# Altium PCB CL-HC-M-V2.1gerber.PcbDoc (part 14 of 16)
Units mil, origin at the board's own origin, x right, y up, seen from the top; angles counter-clockwise.
Board outline 27559.06 x 27559.06 mil, 2 copper layers (TopLayer, BottomLayer); 575 components, 528 nets, 1941 pads, 1850 vias.
Unrouted connection lines stored in the file: 70.
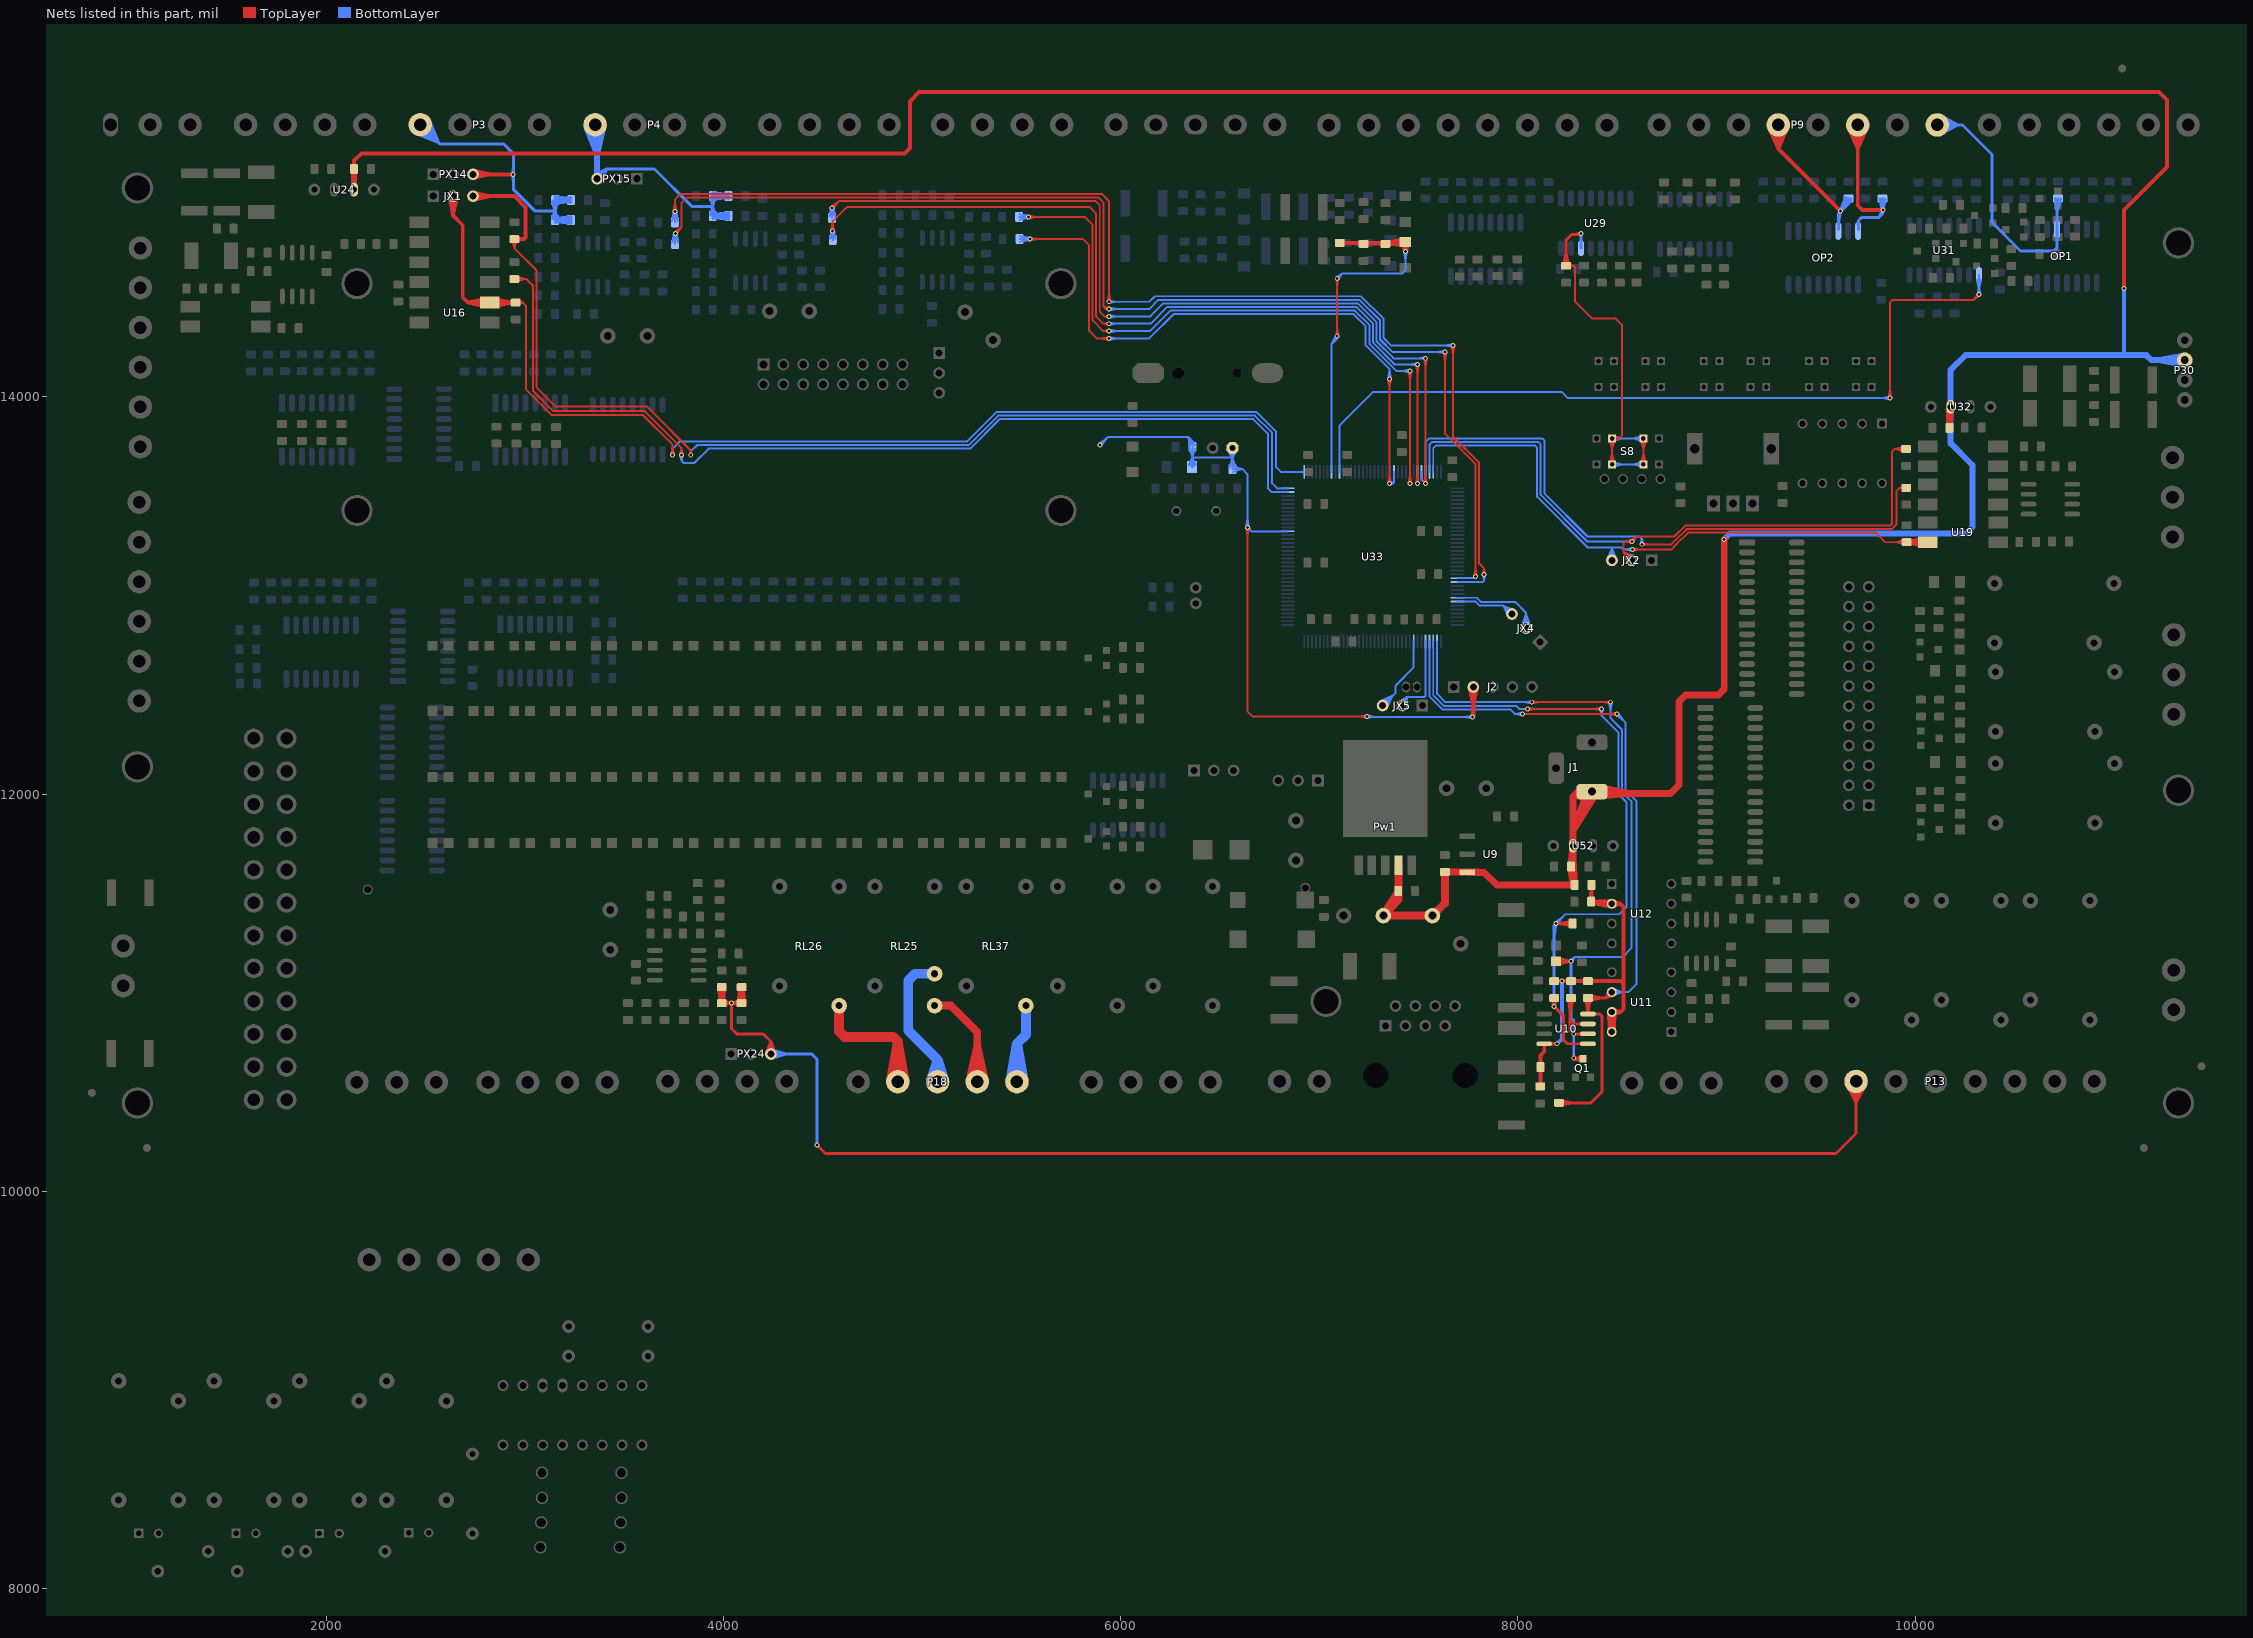
[diagram p14: the nets of this part, all layers, seen from the top]

## Via types
v1: diameter 25, hole 15, TopLayer to BottomLayer, tented both sides, 1813 vias
v2: diameter 20, hole 12, TopLayer to BottomLayer, tented both sides, 24 vias
v3: diameter 25, hole 15, TopLayer to BottomLayer, 13 vias

## Nets (pads, with @x,y where several pads share a name; then routed paths per layer and width w, separated by ;. In a path a pad name is that pad's centre, name@x,y a point inside that pad or via, vN(x,y) a via of type N, cw(c..) or ccw(c..) an arc to the next point about the centre after c; other vN are vias at no path point) (continued)
PWM3-T8C1: R101.1 U33.96 | length 7449.3
  TopLayer w10: v1@3752.77,14829.19 3789.87,14855.71 ; v1(3757.62,14823.47) 3789.87,14855.71 ; v1@3763.34,14818.62 3789.87,14855.71 ; v1@5938.18,14435.58 5912.62,14455.45 ; v1@5944.38,14449.13 5912.62,14455.45 ; v1@7626.09,14225.58 7633.57,14183.74 v1@7641.04,14225.58 ; v1(7633.57,14226.24) 7633.57,13813.51 7786.72,13660.35 v1@7786.72,13094.63 ; v1@7779.43,13095.26 7786.72,13137.13 ; v1(7786.91,13094.63) 7786.72,13137.13 ; v1@7794.37,13095.33 7786.72,13137.13 ; 3789.87,14855.71 3789.87,14976.27 3817.15,15003.56 5888.56,15003.56 5912.62,14979.49 5912.62,14455.45 ; 5912.62,14455.45 5926.09,14441.99 ; 5912.62,14455.45 v1(5942.07,14441.99) ; 5926.09,14441.99 v1(5942.07,14441.99) ; 5926.09,14441.99 5940.31,14434.7 5926.09,14441.99 ; 5926.09,14441.99 5940.31,14449.28 5926.09,14441.99 ; 5926.09,14441.99 v1(5942.07,14441.99) ; 5926.09,14441.99 v1(5942.07,14441.99)
  BottomLayer w10: R101.1@3742.31,14776.87 v1@3757.13,14822.98 ; v1@3750.32,14825.19 R101.1@3744.11,14782.48 ; v1@3750.67,14820.66 R101.1@3770.22,14782.26 ; R101.1@3757.13,14769.55 v1@3757.13,14822.98 ; R101.1@3757.13,14774.55 v1@3757.13,14822.98 ; v1@3764.51,14820.51 R101.1@3744.11,14782.48 ; v1@3764.96,14825.03 R101.1@3770.22,14782.26 ; R101.1@3771.95,14776.87 v1@3757.13,14822.98 ; v1(5942.07,14441.99) 6143.45,14441.99 6190.08,14488.62 7201.8,14488.62 7305.5,14384.92 7305.5,14288.83 7368.09,14226.24 v1(7633.57,14226.24) ; v1@5942.73,14434.52 5984.57,14441.99 v1@5942.73,14449.46 ; v1@7632.9,14218.77 7591.07,14226.24 v1@7632.9,14233.71 ; U33.96@7695.61,13087.15 7779.42,13087.15 v1(7786.91,13094.63) v1@7786.72,13094.63 ; U33.96@7725.86,13087.15 7760.61,13087.15 ; R101.1@3744.11,14782.48 v1(3757.62,14823.47) ; R101.1@3757.13,14780.96 3765.08,14822.72 R101.1@3757.13,14780.96 ; R101.1@3757.13,14780.96 3750.14,14822.9 R101.1@3757.13,14780.96 ; R101.1@3757.13,14780.96 v1(3757.62,14823.47) ; R101.1@3757.13,14780.96 v1(3757.62,14823.47) ; v1@3757.13,14822.98 v1(3757.62,14823.47) ; v1(3757.62,14823.47) R101.1@3770.22,14782.26
PWM4-T8C2: R100.1 U33.97 | length 7395.2
  TopLayer w10: v1@3748.9,14933.58 3756.37,14975.42 v1@3763.84,14933.58 ; v1(3756.37,14932.92) 3756.37,14993.91 3784.02,15021.56 5904.21,15021.56 5942.07,14983.7 v1(5942.07,14478.89) ; v1@5934.6,14479.55 5942.07,14521.39 v1@5949.54,14479.55 ; v1@7665.47,14257.44 7672.94,14215.6 v1@7680.41,14257.44 ; v1(7672.94,14258.1) 7672.94,13799.59 7804.72,13667.81 7804.72,13161.02 7830.16,13135.58 ; v1@7822.72,13107.15 7830.16,13135.58 ; v1(7830.16,13106.19) 7830.16,13135.58 ; v1@7837.59,13107.15 7830.16,13135.58
  BottomLayer w10: R100.1@3740.78,14886.5 v1(3756.37,14932.92) ; v1@3748.9,14932.25 R100.1@3756.37,14890.42 ; v1@3748.89,14932.38 R100.1@3755.67,14890.42 ; v1@3749.08,14934.68 R100.1@3742.62,14891.98 ; v1@3749.4,14930.15 3768.72,14891.68 v1@3763.72,14934.43 ; R100.1@3755.56,14878.96 3756.37,14879.77 v1(3756.37,14932.92) ; R100.1@3755.56,14883.96 v1(3756.37,14932.92) ; v1@3763.25,14929.92 R100.1@3742.62,14891.98 ; v1@3763.83,14932.13 R100.1@3755.67,14890.42 ; v1@3763.84,14932.25 R100.1@3756.37,14890.42 ; R100.1@3770.42,14886.01 v1(3756.37,14932.92) ; v1(5942.07,14478.89) 6144.9,14478.89 6172.62,14506.62 7209.25,14506.62 7323.5,14392.37 7323.5,14296.28 7361.68,14258.1 v1(7672.94,14258.1) 7630.44,14258.1 ; v1@5942.73,14471.42 5984.57,14478.89 v1@5942.73,14486.36 ; v1@7672.28,14250.63 7630.44,14258.1 ; v1@7672.28,14265.57 7630.44,14258.1 ; U33.97@7695.61,13067.46 7823.37,13067.46 7830.16,13074.25 ; U33.97@7725.86,13067.46 7760.61,13067.46 ; v1@7822.71,13105.31 7830.16,13074.25 ; v1@7837.6,13105.31 7830.16,13074.25 ; R100.1@3742.62,14891.98 v1(3756.37,14932.92) ; R100.1@3755.67,14890.42 v1(3756.37,14932.92) ; R100.1@3756.37,14890.42 v1(3756.37,14932.92) ; 7830.16,13074.25 v1(7830.16,13106.19) 7830.16,13074.25
PWM5-T1C1: R124.1 U33.60 | length 4409.9
  TopLayer w10: v1@5542.31,14795.12 v1(5542.42,14795.01) 5809.83,14795.01 5840.62,14764.21 5840.62,14332.74 5878.98,14294.39 v1(5942.07,14294.39) 5899.57,14294.39 ; v1@5543.08,14787.53 5584.92,14795.01 v1@5543.08,14802.48 ; v1@5941.41,14286.91 5899.57,14294.39 ; v1@5941.41,14301.86 5899.57,14294.39 ; v1@7346.78,13563.39 7354.26,13605.22 v1@7361.73,13563.39 ; v1@7346.78,14090.35 7354.26,14048.52 v1@7361.73,14090.35 ; v1(7354.26,13562.72) v1(7354.26,14091.02)
  BottomLayer w10: R124.1@5491.25,14795.12 v1@5542.31,14795.12 ; R124.1@5493.5,14780.29 5541.25,14795.12 R124.1@5493.5,14809.95 ; v1@5539.62,14788.05 R124.1@5501.22,14807.55 ; v1@5539.66,14801.98 R124.1@5501.17,14782.67 ; v1@5541.74,14787.54 R124.1@5499.92,14795.12 ; v1@5541.78,14802.48 R124.1@5499.92,14795.12 ; v1@5543.94,14787.66 R124.1@5501.17,14782.67 ; v1@5543.98,14802.34 R124.1@5501.22,14807.55 ; v1(5942.07,14294.39) 6143.68,14294.39 6265.92,14416.62 7171.98,14416.62 7233.5,14355.09 7233.5,14259.01 7354.26,14138.25 v1(7354.26,14091.02) ; v1@5942.73,14286.91 5984.57,14294.39 v1@5942.73,14301.86 ; v1@7346.78,14091.68 7354.26,14133.52 v1@7361.73,14091.68 ; v1@7353.3,13570.16 7376.72,13569.4 ; v1@7357.51,13555.97 7376.72,13569.4 ; U33.60@7376.72,13592.33 7376.72,13569.4 ; U33.60@7376.72,13622.58 7376.72,13569.4 ; R124.1@5499.92,14795.12 v1(5542.42,14795.01) ; R124.1@5501.17,14782.67 v1(5542.42,14795.01) ; R124.1@5501.22,14807.55 v1(5542.42,14795.01) ; v1(7354.26,13562.72) 7370.04,13562.72 ; v1(7354.26,13562.72) 7376.72,13569.4 ; v1(7354.26,13562.72) 7370.04,13562.72 ; 7370.04,13562.72 7376.72,13569.4 ; 7370.04,13562.72 7356.04,13570.01 7370.04,13562.72 ; 7370.04,13562.72 7356.04,13555.44 7370.04,13562.72
PWM6-T1C2: R123.1 U33.64 | length 4415
  TopLayer w10: v1@5535.47,14905.93 v1(5536.42,14904.97) 5820.68,14904.97 5858.62,14867.02 5858.62,14385.66 5912.99,14331.29 ; v1@5537.08,14897.5 5578.92,14904.97 v1@5537.08,14912.44 ; v1@5941.1,14323.85 5912.99,14331.29 ; v1@5941.1,14338.72 5912.99,14331.29 ; v1@7447.98,13564.79 7455.46,13606.63 v1@7462.93,13564.79 ; v1@7447.98,14130 7455.46,14088.16 v1@7462.93,14130 ; v1(7455.46,13564.13) v1(7455.46,14130.66) ; 5912.99,14331.29 v1(5942.07,14331.29) 5912.99,14331.29
  BottomLayer w10: R123.1@5488.28,14905.93 v1@5535.47,14905.93 ; R123.1@5490.67,14891.12 v1@5535.47,14905.93 ; R123.1@5490.67,14920.74 v1@5535.47,14905.93 ; v1@5533.36,14898.12 R123.1@5495.57,14919.12 ; v1@5533.65,14911.94 R123.1@5495.13,14892.59 ; v1@5535.59,14897.52 R123.1@5493.9,14905.93 ; v1@5535.93,14912.46 R123.1@5493.9,14905.93 ; v1@5537.94,14897.63 R123.1@5495.13,14892.59 ; v1@5538.25,14912.24 R123.1@5495.57,14919.12 ; v1(5942.07,14331.29) 6147.23,14331.29 6250.56,14434.62 7179.43,14434.62 7251.5,14362.55 7251.5,14266.46 7387.3,14130.66 v1(7455.46,14130.66) ; v1@5942.73,14323.82 5984.57,14331.29 v1@5942.73,14338.76 ; v1@7448.02,13565.13 U33.64@7455.46,13592.33 ; v1@7454.79,14123.19 7412.96,14130.66 v1@7454.79,14138.13 ; U33.64@7455.46,13622.58 v1(7455.46,13564.13) U33.64@7455.46,13592.33 ; v1@7462.89,13565.13 U33.64@7455.46,13592.33 ; R123.1@5493.9,14905.93 v1(5536.42,14904.97) ; R123.1@5495.13,14892.59 v1(5536.42,14904.97) ; R123.1@5495.57,14919.12 v1(5536.42,14904.97)
PWM7-T1C3: R105.1 U33.66 | length 5511.4
  TopLayer w10: v1@4542.65,14835.62 4550.13,14877.46 v1@4557.6,14835.62 ; v1(4550.13,14834.96) 4550.13,14884.21 4622.57,14956.65 5843,14956.65 5876.62,14923.03 5876.62,14403.69 5912.13,14368.19 ; v1@5941.13,14360.75 5912.13,14368.19 ; v1@5941.13,14375.63 5912.13,14368.19 ; v1@7487.35,13564.79 7494.83,13606.63 v1@7502.3,13564.79 ; v1@7487.35,14161.86 7494.83,14120.02 v1@7502.3,14161.86 ; v1(7494.83,13564.13) v1(7494.83,14162.52) ; 5912.13,14368.19 v1(5942.07,14368.19) 5912.13,14368.19
  BottomLayer w10: v1@4542.65,14834.3 4550.13,14792.46 4557.6,14834.3 R105.1@4550.54,14795.41 ; v1@4542.67,14834.17 R105.1@4550.54,14795.41 ; v1@4542.91,14837 R105.1@4535.78,14798.1 ; v1@4543.5,14831.45 R105.1@4565.24,14798.41 ; R105.1@4550.54,14790.41 4550.13,14790.83 v1(4550.13,14834.96) ; v1@4556.83,14831.59 R105.1@4535.78,14798.1 ; v1@4557.3,14837.16 R105.1@4565.24,14798.41 ; v1(5942.07,14368.19) 6151.08,14368.19 6235.51,14452.62 7186.89,14452.62 7269.5,14370.01 7269.5,14273.92 7380.9,14162.52 v1(7494.83,14162.52) 7452.33,14162.52 ; v1@5942.73,14360.72 5984.57,14368.19 v1@5942.73,14375.66 ; v1@7494.16,14155.05 7452.33,14162.52 ; v1@7494.16,14169.99 7452.33,14162.52 ; U33.66@7494.83,13592.33 v1(7494.83,13564.13) U33.66@7494.83,13622.58 ; R105.1@4535.78,14798.1 v1(4550.13,14834.96) ; v1(4550.13,14834.96) R105.1@4565.24,14798.41 ; v1(4550.13,14834.96) R105.1@4550.54,14795.41
PWM8-T1C4: R104.1 U33.67 | length 5548.4
  TopLayer w10: v1@4542.7,14957.1 4581.29,14985.11 v1@4553.28,14946.53 ; v1(4547.57,14951.4) 4581.73,14985.56 5874.11,14985.56 5894.62,14965.04 5894.62,14427.78 5917.32,14405.09 ; v1@5940.93,14397.67 5917.32,14405.09 ; v1@5940.93,14412.5 5917.32,14405.09 ; v1@7526.72,13564.79 7534.2,13606.63 v1@7541.67,13564.79 ; v1@7526.72,14193.72 7534.2,14151.88 v1@7541.67,14193.72 ; v1(7534.2,13564.13) v1(7534.2,14194.38) ; 5917.32,14405.09 v1(5942.07,14405.09) 5917.32,14405.09
  BottomLayer w10: R104.1@4532.78,14908.71 v1(4547.57,14951.4) ; v1@4540.3,14953.23 4533.42,14910.55 v1@4554.42,14948.34 ; v1@4540.73,14948.34 4561.72,14910.55 v1@4554.85,14953.23 ; R104.1@4547.57,14901.22 v1(4547.57,14951.4) ; R104.1@4547.57,14906.22 v1(4547.57,14951.4) ; R104.1@4562.36,14908.71 v1(4547.57,14951.4) ; v1(5942.07,14405.09) 6149.73,14405.09 6215.26,14470.62 7194.34,14470.62 7287.5,14377.46 7287.5,14281.37 7374.49,14194.38 v1(7534.2,14194.38) 7491.7,14194.38 ; v1@5942.73,14397.62 5984.57,14405.09 v1@5942.73,14412.56 ; U33.67@7514.51,13622.58 7514.51,13583.82 ; v1@7533.53,14186.91 7491.7,14194.38 ; v1@7533.53,14201.85 7491.7,14194.38 ; v1(7534.2,13564.13) 7514.51,13583.82 ; R104.1@4547.57,14908.9 4555.04,14950.74 R104.1@4547.57,14908.9 ; R104.1@4547.57,14908.9 4540.1,14950.74 R104.1@4547.57,14908.9 ; 7514.51,13583.82 7514.51,13592.33 7514.51,13583.82
RESET: C80.1 D12.1 J2.2 R189.2 RESET1.1 U33.25 | length 5735
  TopLayer w10: v1@6629.91,13342.7 6637.39,13300.87 v1@6644.86,13342.7 ; v1(6637.39,13343.37) 6637.39,12417.31 6662.76,12391.94 v1(7238.89,12391.94) ; v1@7238.23,12384.47 7196.39,12391.94 v1@7238.23,12399.41
  TopLayer w20: J2.2@7755.74,12537.42 7775.15,12450.02 J2.2@7794.56,12537.42 ; 7775.15,12462.28 v1(7772.18,12389.4) 7775.15,12392.37 J2.2@7775.15,12539.55
  BottomLayer w10: v1@5890.34,13763.12 5928.92,13791.13 v1@5900.92,13752.55 ; v1(5895.21,13757.42) 5935.83,13798.04 6340.47,13798.04 ; D12.1@6340.47,13656.78 6360.44,13695.87 ; R189.2@6345.62,13741 6360.44,13695.87 ; R189.2@6345.96,13749.42 6340.47,13798.04 ; D12.1@6349.97,13653.25 6360.44,13695.87 ; D12.1@6359.89,13646.98 6360.44,13647.53 6360.44,13695.87 ; D12.1@6359.89,13651.98 6360.44,13695.87 ; R189.2@6360.44,13743.37 6360.44,13695.87 ; D12.1@6369.83,13653 6360.44,13695.87 ; R189.2@6373.03,13761.51 6340.47,13798.04 ; R189.2@6375.25,13741 6360.44,13695.87 ; D12.1@6379.41,13656.29 6360.44,13695.87 ; RESET1.1@6538.43,13736.38 6562.64,13692.7 ; C80.1@6547.8,13644.62 6562.64,13692.37 ; RESET1.1@6547.81,13740.39 6562.64,13692.7 ; C80.1@6562.64,13642.37 6562.64,13692.37 ; RESET1.1@6562.64,13742.64 6562.64,13692.7 ; C80.1@6564.97,13622.55 6610.89,13637.37 ; C80.1@6564.97,13652.19 6610.89,13637.37 ; C80.1@6577.47,13644.62 6562.64,13692.37 ; RESET1.1@6577.47,13740.39 6562.64,13692.7 ; RESET1.1@6586.84,13736.38 6562.64,13692.7 ; v1@6629.91,13344.03 6637.39,13385.87 v1@6644.86,13344.03 ; v1@6632.83,13337.41 6657.38,13323.37 ; v1@6643.34,13347.92 6657.38,13323.37 ; 6776.28,13323.37 U33.25@6811.03,13323.37 ; U33.25@6841.28,13323.37 6657.38,13323.37 ; v1@7239.11,12384.44 7281.6,12389.4 ; v1@7239.99,12399.36 7281.6,12389.4 ; v1@7771.52,12381.93 7729.68,12389.4 v1@7771.52,12396.87 ; v1(7772.18,12389.4) 7236.36,12389.4 v1(7238.89,12391.94) 7281.6,12389.4 ; 6340.47,13798.04 6360.44,13778.08 ; 6340.47,13798.04 R189.2@6360.44,13753.37 ; 6360.44,13695.87 6559.47,13695.87 6562.64,13692.7 ; 6360.44,13695.87 R189.2@6360.44,13748.37 6360.44,13778.08 ; R189.2@6360.44,13753.37 6360.44,13778.08 ; R189.2@6360.44,13753.37 6360.44,13778.08 ; 6360.44,13778.08 6346.14,13757.92 6360.44,13778.08 ; 6360.44,13778.08 6374.73,13757.92 6360.44,13778.08 ; 6562.64,13692.7 C80.1@6562.64,13637.37 6610.89,13637.37 ; 6610.89,13637.37 6637.39,13610.87 v1(6637.39,13343.37) 6657.38,13323.37
ROUT1: 
ROUT2: 
ROUT3: 
ROUT4: 
ROUT5: 
ROUT6: 
ROUT7: 
ROUT8: 
ROUT9: 
ROUT10: 
ROUT11: 
ROUT12: 
ROUT13: 
ROUT14: 
ROUT22: 
ROUT23: 
ROUT24: 
ROUT25: 
ROUT26: 
ROUT27: 
ROUT28: 
ROUT29: 
SDO_165: U31.9 U33.46 | length 4676.9
  TopLayer w10: v1@9864.64,13993.96 9872.11,14035.8 v1@9879.58,13993.96 ; v1(9872.11,13993.3) 9872.11,14473.87 9884.98,14486.74 10293.44,14486.74 ; v1@10315.83,14519.69 10293.44,14486.74 ; v1@10326.39,14509.13 10293.44,14486.74 ; 10293.44,14486.74 v1(10321.61,14514.91) 10293.44,14486.74
  BottomLayer w10: U33.46@7101.13,13622.58 7101.13,13854.14 7272.42,14025.44 8219.38,14025.44 8251.52,13993.3 v1(9872.11,13993.3) ; U33.46@7101.13,13652.83 7101.13,13687.58 ; v1@9871.45,13985.83 9829.61,13993.3 v1@9871.45,14000.77 ; U31.9@10311.68,14587.52 10321.61,14543.63 ; v1@10314.14,14515.57 10321.61,14557.41 v1@10329.08,14515.57 ; v1(10321.61,14514.91) U31.9@10321.61,14613.63 ; U31.9@10321.61,14588.63 10321.61,14543.63 ; U31.9@10331.55,14587.52 10321.61,14543.63
STM32-R/T2: R170.2 U33.35 | length 5340.4
  TopLayer w10: R170.2@2947.38,14593.36 3006.44,14593.36 3041.38,14558.42 3041.38,14029.99 3143.25,13928.12 3603.34,13928.12 3789.72,13741.73 ; R170.2@2952.38,14593.36 3002.38,14593.36 ; R170.2@2954.63,14578.53 3002.38,14593.36 ; R170.2@2954.63,14608.19 3002.38,14593.36 ; v1@3782.26,13707.59 3789.72,13741.73 ; v1(3789.72,13706.79) 3789.72,13741.73 ; v1@3797.18,13707.59 3789.72,13741.73
  BottomLayer w10: v1@3782.29,13705.8 3789.72,13678.25 ; v1(3789.72,13706.79) 3789.72,13678.25 ; v1@3797.16,13705.8 3789.72,13678.25 ; 6776.28,13520.22 U33.35@6811.03,13520.22 ; U33.35@6841.28,13520.22 6761.59,13520.22 6740.72,13541.09 6740.72,13815.23 6667.91,13888.04 5390.01,13888.04 5241.52,13739.55 3925.58,13739.55 3853.24,13667.2 3800.77,13667.2 3789.72,13678.25
STM32-R/T3: R172.2 U33.68 | length 3455.5
  TopLayer w10: v1(8623.45,13257.97) 8772.75,13257.97 8786.89,13272.11 ; v1@8624.11,13250.5 8665.95,13257.97 v1@8624.11,13265.45 ; 8793.72,13278.94 8786.89,13272.11 ; R172.2@9945.66,13527.89 9922.59,13542.31 ; R172.2@9945.66,13556.72 9922.59,13542.31 ; R172.2@9949.8,13542.31 9922.59,13542.31 ; R172.2@9954.8,13542.31 9922.59,13542.31 ; 8786.89,13272.11 8848.95,13334.17 9880.84,13334.17 9906.58,13359.91 9906.58,13526.3 9922.59,13542.31
  BottomLayer w10: U33.68@7534.2,13622.58 7534.2,13772.09 7553.54,13791.44 8122.46,13791.44 8132.48,13781.42 8132.48,13514.61 8350.04,13297.05 8612.92,13297.05 8623.45,13286.52 ; U33.68@7534.2,13652.83 7534.2,13687.58 ; v1@8616.02,13258.96 8623.45,13286.52 ; v1(8623.45,13257.97) 8623.45,13286.52 ; v1@8630.89,13258.96 8623.45,13286.52
STM32-R/T4: D4.A Q1.1 R62.2 U10.2 U10.3 U33.110 | length 5175.5
  TopLayer w10: v1(8069.51,12462.69) v1(8466.72,12462.69) 8424.22,12462.69 ; v1@8070.17,12455.22 8112.01,12462.69 v1@8070.17,12470.16 ; v1@8466.06,12455.22 8424.22,12462.69 ; v1@8466.06,12470.16 8424.22,12462.69
  TopLayer w15: D4.A@8192.38,11158.69 v1(8267.04,11158.69) ; D4.A@8194.56,11141.33 8262.38,11158.69 D4.A@8194.56,11176.06 ; D4.A@8209.54,11158.69 v1(8267.04,11158.69) ; D4.A@8210.65,11145.45 v1(8267.04,11158.69) ; D4.A@8210.65,11171.94 v1(8267.04,11158.69) ; R62.2@8254.88,10973.12 8262.38,10907.95 ; R62.2@8262.38,10973.36 8262.38,10865.42 ; R62.2@8267.38,10973.36 8262.38,10907.95 ; R62.2@8279.69,10971.22 8262.38,10907.95 ; U10.2@8324.38,10793.36 v1(8280.9,10793.36) ; U10.3@8324.38,10843.36 8284.44,10843.36 ; U10.2@8352.38,10793.36 v1(8280.9,10793.36) ; U10.3@8352.38,10843.36 8284.44,10843.36 ; 8262.38,10811.88 v1(8280.9,10793.36) ; 8262.38,10811.88 8262.38,10865.42 ; 8262.38,10811.88 v1(8280.9,10793.36) ; 8262.38,10865.42 8284.44,10843.36 ; v1@8276.2,10667.32 v1(8280.9,10672.02) ; v1@8276.2,10667.32 Q1.1@8327.38,10667.32 v1(8280.9,10672.02) ; v1@8276.2,10667.32 8326.36,10657.16 v1(8280.9,10672.02) ; v1@8276.2,10667.32 8326.36,10677.49 v1(8280.9,10672.02)
  BottomLayer w10: 7593.25,12703.25 U33.110@7593.25,12738 ; U33.110@7593.25,12768.25 7593.25,12504.32 7634.88,12462.69 v1(8069.51,12462.69) 8027.01,12462.69 ; v1@8068.85,12455.22 8027.01,12462.69 ; v1@8068.85,12470.16 8027.01,12462.69 ; v1@8262.44,11164.62 8288.21,11179.86 ; v1(8267.04,11158.69) 8288.21,11179.86 ; v1@8272.96,11154.1 8288.21,11179.86 ; v1@8459.25,12462.03 8466.72,12420.19 ; v1@8474.19,12462.03 8466.72,12420.19 ; 8288.21,11179.86 8526.95,11179.86 8571.2,11224.11 8571.2,11964.63 8523.84,12011.99 8523.84,12325.02 8466.72,12382.14 v1(8466.72,12462.69) 8466.72,12420.19
  BottomLayer w15: v1(8267.04,11158.69) 8267.04,10873.36 8280.9,10859.5 v1(8280.9,10793.36) v1(8280.9,10672.02)
STM32-RX1: JX4.3 U33.102 | length 632.6
  BottomLayer w10: U33.102@7695.61,12969.04 7786.73,12969.04 7805.46,12950.3 7926.19,12950.3 JX4.3@7969.92,12906.57 7927.83,12948.67 ; U33.102@7725.86,12969.04 7760.61,12969.04 ; JX4.3@7949.37,12893.17 7927.83,12948.67 ; JX4.3@7958.47,12897.63 7927.83,12948.67 ; JX4.3@7978.86,12918.02 7927.83,12948.67 ; JX4.3@7983.32,12927.12 7927.83,12948.67
STM32-RX2: JX1.2 R174.2 U16.4 U33.37 | length 7053.5
  TopLayer w10: R174.2@2954.07,14474.76 2990.93,14474.76 ; R174.2@2959.07,14474.76 2990.93,14474.76 ; R174.2@2962.6,14460.18 2990.93,14474.76 ; R174.2@2962.6,14489.34 2990.93,14474.76 ; v1@3736.45,13707.45 3743.93,13749.29 v1@3751.4,13707.45 ; v1(3743.93,13706.79) 3743.93,13759.25 3595.06,13908.12 3134.97,13908.12 3005.82,14037.26 3005.82,14459.87 2990.93,14474.76
  TopLayer w20: JX1.2@2619.73,15008.06 2639.14,14920.66 JX1.2@2658.55,15008.06 ; JX1.2@2639.14,15010.19 2639.14,14912.6 2687.66,14864.08 2687.66,14500.06 2712.96,14474.76 U16.4@2823.29,14474.76 R174.2@2954.07,14474.76 ; U16.4@2801.48,14455.35 2714.08,14474.76 ; U16.4@2801.48,14494.17 2714.08,14474.76 ; U16.4@2803.61,14474.76 2714.08,14474.76 ; U16.4@2869.07,14474.76 R174.2@2949.07,14474.76 ; R174.2@2932.5,14474.76 2845.11,14494.17 R174.2@2932.5,14474.76 ; R174.2@2932.5,14474.76 2845.11,14455.35 R174.2@2932.5,14474.76 ; R174.2@2932.5,14474.76 2842.98,14474.76 R174.2@2932.5,14474.76
  BottomLayer w10: v1@3736.48,13707.69 3743.93,13738.09 ; v1(3743.93,13706.79) 3743.93,13738.09 ; v1@3751.37,13707.69 3743.93,13738.09 ; 6889.21,13622.58 U33.37@6923.96,13622.58 6806.53,13622.58 6780.81,13648.3 6780.81,13826.05 6682.82,13924.04 5375.1,13924.04 5226.68,13775.62 3781.46,13775.62 3743.93,13738.09
STM32-RX3: JX2.3 R175.2 U19.4 U33.70 | length 4320.5
  TopLayer w10: v1(8576.11,13231.2) 8771.44,13231.2 8789.46,13249.22 ; v1@8576.77,13223.73 8618.61,13231.2 v1@8576.77,13238.67 ; R175.2@9949.7,13283.49 9902.12,13268.09 ; R175.2@9950.06,13253.84 9902.12,13268.09 ; R175.2@9952.13,13268.69 9902.12,13268.09 ; R175.2@9957.13,13268.69 9957.73,13268.09 9849.48,13268.09 9801.4,13316.17 8856.4,13316.17 8797.79,13257.56 ; 8789.46,13249.22 8797.79,13257.56 ; 8789.46,13249.22 8797.79,13257.56